# Altium PCB NORA_Clock_V0.2.PcbDoc (part 2 of 3)
Units mm, origin at the board's own origin, x right, y up, seen from the top; angles counter-clockwise.
Board outline 118 x 203.33 mm, 2 copper layers (Top Layer, Bottom Layer), stack 1.671 mm thick; 239 components, 178 nets, 1118 pads, 1365 vias.
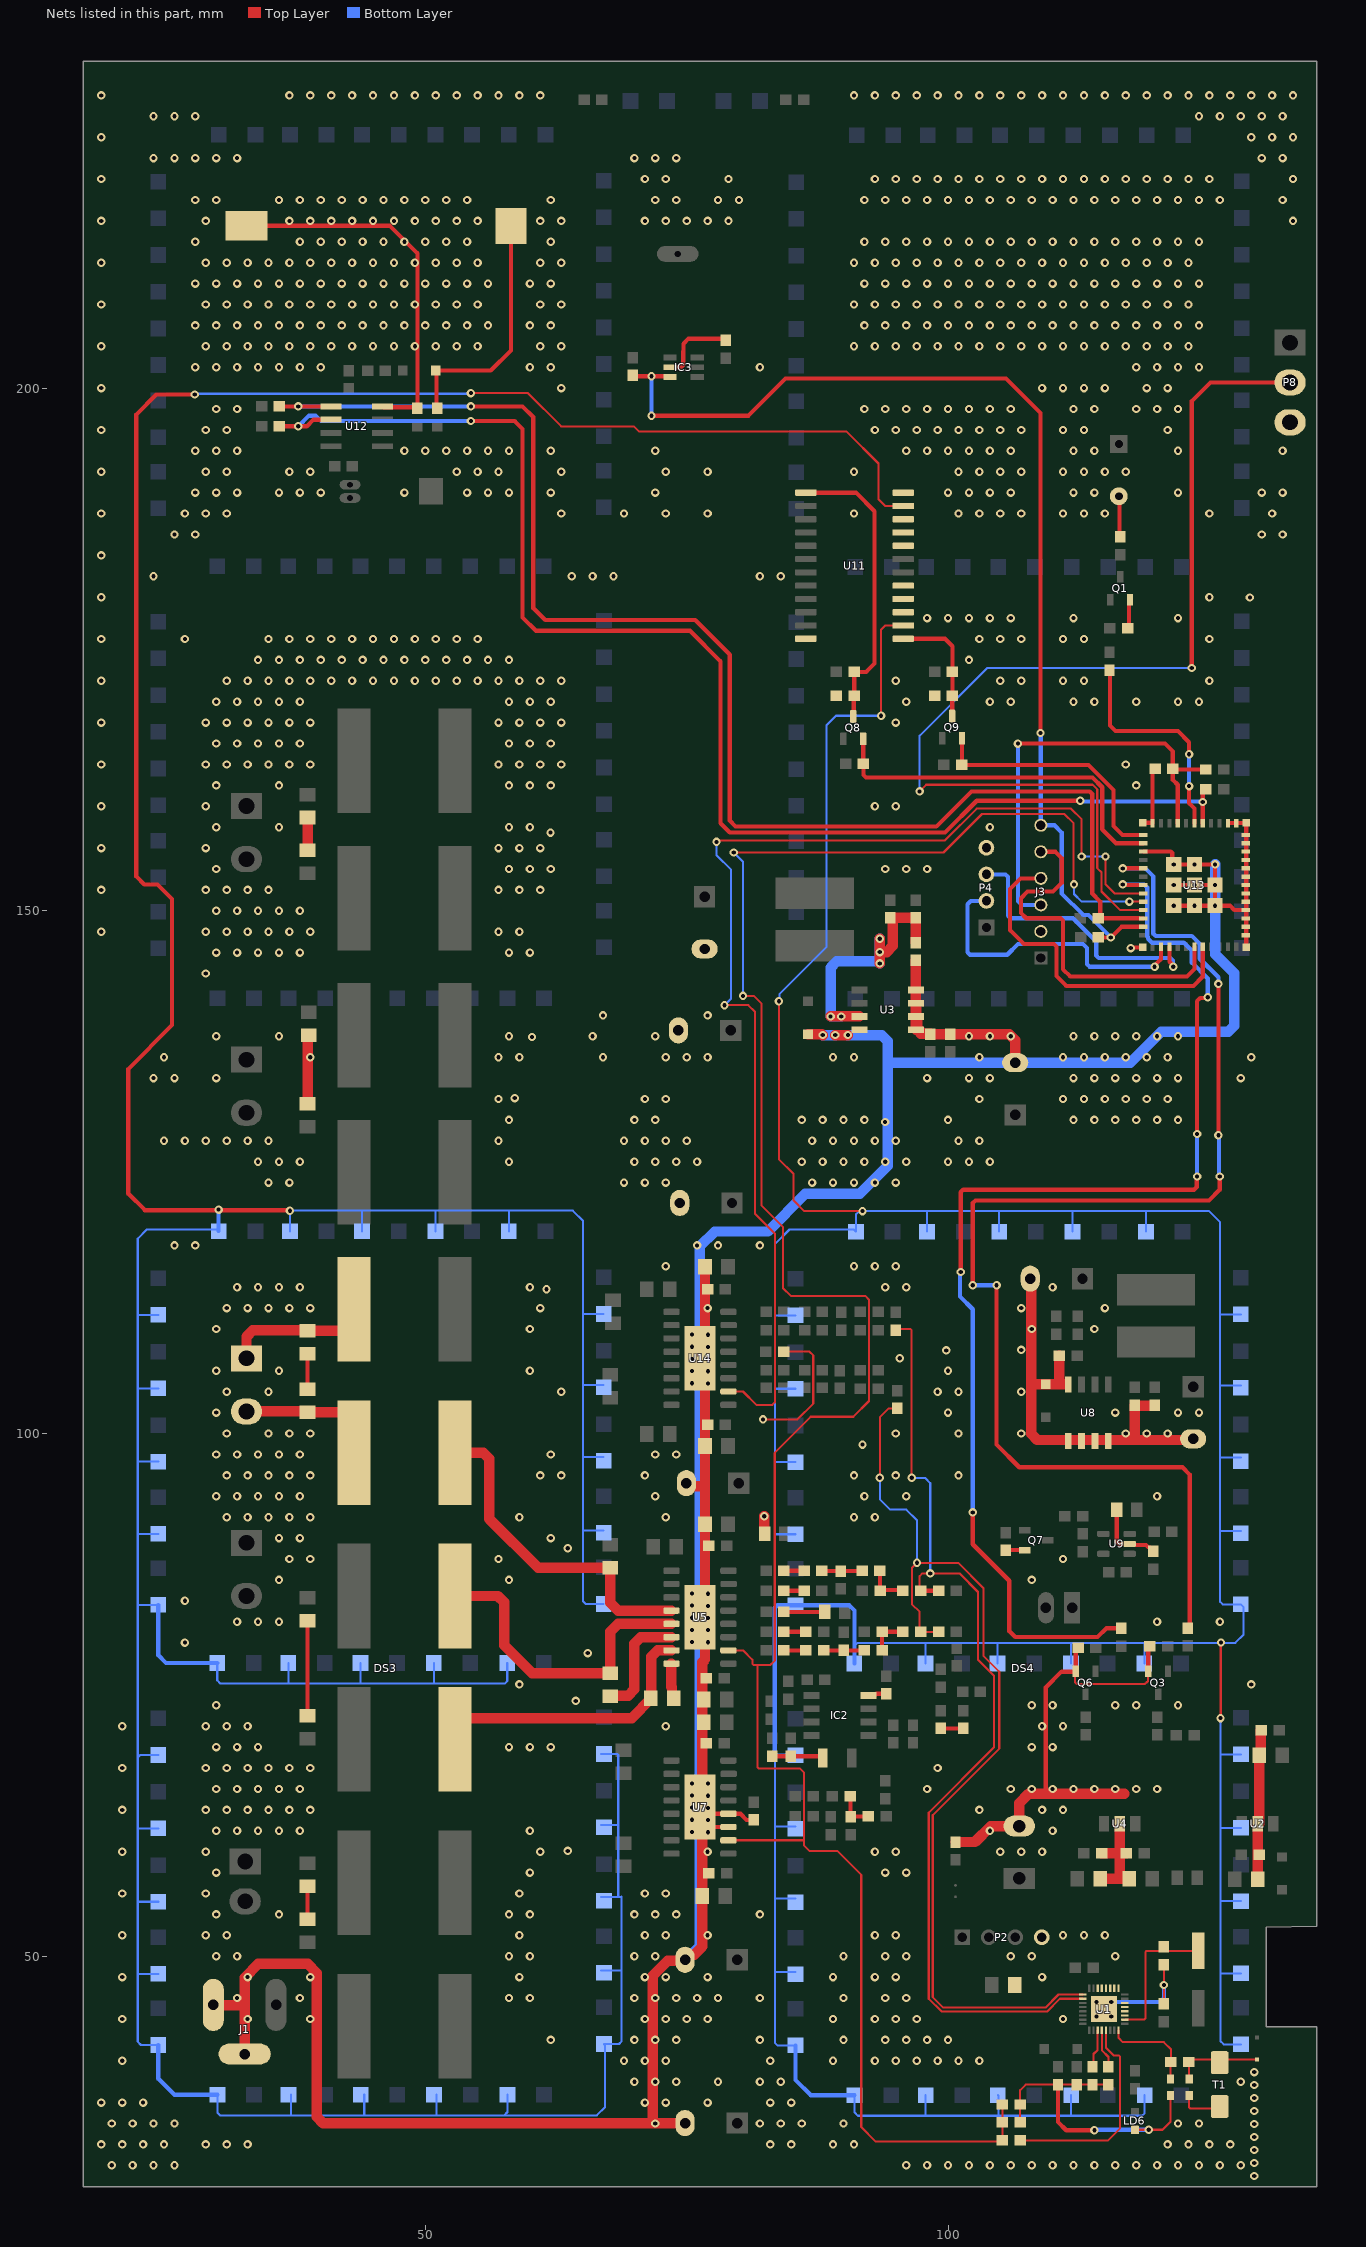
[diagram p2: the nets of this part, all layers, seen from the top]

## Via types
v1: diameter 0.8, hole 0.4, Top Layer to Bottom Layer, 1365 vias

## Nets (pads, with @x,y where several pads share a name; then routed paths per layer and width w, separated by ;. In a path a pad name is that pad's centre, name@x,y a point inside that pad or via, vN(x,y) a via of type N, cw(c..) or ccw(c..) an arc to the next point about the centre after c; other vN are vias at no path point) (continued)
BT_OSCO: C24.2 U1.18 Y1.2 | length 13.8
  Top Layer w0.2: U1.18@116.913,43.931 118.755,43.931 118.872,44.048 118.872,50.39 118.989,50.507 120.269,50.507 C24.2@120.65,50.888 121.031,50.507 123.947,50.507 Y1.2@123.952,50.502
BT_RF: C54.2 L10.1 U1.16 | length 9.1
  Top Layer w0.2: U1.16@116.308,42.926 116.308,42.188 116.713,41.783 120.65,41.783 121.324,41.109 C54.2@121.324,39.878 121.285,39.839 L10.1@121.285,38.24
Buzzer: R18.1 U13.6 | length 21.5
  Top Layer w0.4: R18.1@115.443,173.013 115.493,172.963 115.493,167.717 115.825,167.385 116.014,167.195 121.983,167.195 123.063,166.116 v1(123.063,164.973) ; v1(123.063,161.925) 123.063,160.293 123.568,159.788 U13.6@123.568,158.363
  Bottom Layer w0.4: v1(123.063,161.925) v1(123.063,164.973)
CLK: C69.2 Q8.3 R69.1 U11.13 | length 28.5
  Top Layer w0.4: U11.13@86.404,189.992 91.186,189.992 92.964,188.214 92.964,173.641 92.17,172.847 R69.1@91.02,172.847 C69.2@91.02,170.561 90.976,170.517 90.976,168.617 Q8.3@90.932,168.573
CLK_L: Q8.2 R66.1 U13.13 | length 35.3
  Top Layer w0.4: Q8.2@91.882,166.453 91.895,166.44 91.895,164.097 R66.1@91.909,164.084 91.909,162.984 92.143,162.75 113.817,162.75 114.752,161.815 114.752,157.79 116.079,156.463 U13.13@118.668,156.463
CS: U11.12
CS1: U1.19
CS2: U1.20
CS3: U1.21
CS4: U1.22
CS5: U1.25
CS6: U1.26
CS7: U1.27
CTRL: C10.2 R4.2 R5.1 U5.2 U7.2 U13.20 | length 224.1
  Top Layer w0.2: U7.2@78.994,61.087 86.233,61.087 ; U5.2@78.994,79.248 80.391,79.248 81.28,78.359 81.28,77.978 81.407,77.851 81.788,77.851 ; v1(79.502,155.575) 99.568,155.575 103.251,159.258 111.125,159.258 112.014,158.369 112.014,152.565 v1(112.052,152.527) ; v1(80.391,141.859) 81.407,141.859 82.169,141.097 82.169,121.793 84.201,119.761 84.201,113.919 84.963,113.157 92.075,113.157 92.436,112.796 92.436,103.104 90.932,101.6 86.868,101.6 83.419,98.151 83.419,78.274 82.996,77.851 81.788,77.851 ; R4.2@105.195,32.297 105.156,32.258 93.091,32.258 91.694,33.655 91.694,57.785 89.408,60.071 86.741,60.071 86.233,60.579 86.233,61.087 ; R4.2@105.195,32.385 C10.2@105.195,34.125 R5.1@105.195,35.814 ; v1(117.348,150.876) 117.354,150.87 118.662,150.87 U13.20@118.668,150.863 ; 81.788,77.851 81.788,68.062 81.905,67.945 85.852,67.945 86.233,67.564 86.233,61.087
  Bottom Layer w0.2: v1(79.502,155.575) 79.502,155.413 79.664,155.413 80.391,154.686 v1(80.391,141.859) ; v1(112.052,152.527) 112.052,151.6 112.776,150.876 v1(117.348,150.876)
CTRL_P: U13.19 U14.2 | length 112
  Top Layer w0.2: v1(77.851,156.591) 77.966,156.706 78.256,156.706 78.268,156.718 99.695,156.718 102.743,159.766 111.76,159.766 112.776,158.75 v1(112.776,155.194) ; v1(78.613,140.97) 80.899,140.97 81.534,140.335 81.534,121.031 83.432,119.133 83.432,102.99 83.185,102.743 81.661,102.743 80.391,104.013 U14.2@78.994,104.013 ; v1(115.062,155.194) 115.062,152.527 115.926,151.663 U13.19@118.668,151.663
  Bottom Layer w0.2: v1(77.851,156.591) 77.851,155.321 79.248,153.924 79.248,141.605 v1(78.613,140.97) ; v1(112.776,155.194) v1(115.062,155.194)
DACL: R6.2 R34.2 R48.2 U1.2 | length 93.9
  Top Layer w0.2: R48.2@94.996,109.894 95.084,109.982 96.403,109.982 96.52,109.865 v1(96.52,95.758) ; R34.2@97.282,84.797 97.282,86.36 97.536,86.614 v1(98.298,86.614) 101.092,86.614 102.87,84.836 102.87,78.359 104.394,76.835 104.394,69.977 98.154,63.737 98.154,45.932 99.381,44.705 109.475,44.705 110.701,45.931 U1.2@112.903,45.931
  Top Layer w0.4: R34.2@97.37,84.963 R6.2@99.099,84.963
  Bottom Layer w0.2: v1(96.52,95.758) 97.79,95.758 98.298,95.25 v1(98.298,86.614)
DACR: R29.2 R36.1 R42.2 U1.1 | length 92.2
  Top Layer w0.2: v1(93.472,95.758) 93.472,101.55 94.323,102.401 R42.2@95.123,102.401 ; R36.1@99.099,81.026 R29.2@97.37,81.026 97.282,81.114 97.282,82.931 96.54,83.673 96.54,87.128 97.028,87.616 v1(97.028,87.63) 100.965,87.63 103.378,85.217 103.378,78.74 104.902,77.216 104.902,69.85 98.534,63.482 98.534,46.09 99.539,45.085 109.318,45.085 110.564,46.331 U1.1@112.903,46.331
  Bottom Layer w0.2: v1(93.472,95.758) 93.472,93.726 94.488,92.71 96.012,92.71 97.028,91.694 v1(97.028,87.63)
DCVDD: C19.1 U1.12 | length 3.8
  Top Layer w0.2: U1.12@114.708,42.926 114.708,40.994 115.343,40.359 C19.1@115.343,39.412
DIG0: DS4.5 U11.2 | length 414.7
  Top Layer w0.2: 83.82,133.477 v1(83.82,141.351) ; 83.82,133.506 83.82,126.238 85.217,124.841 85.217,122.301 86.246,121.272 v1(91.821,121.272) ; v1(93.599,168.656) 93.599,176.911 93.98,177.292 U11.2@95.714,177.292 ; v1(126.057,72.771) 126.084,72.798 126.084,79.983 v1(126.111,80.01)
  Bottom Layer w0.2: 83.432,69.207 83.432,62.415 ; v1(83.82,141.351) 83.885,141.416 83.885,142.051 88.392,146.558 88.392,167.767 89.281,168.656 v1(93.599,168.656) ; DS4.5@85.401,41.466 83.68,41.466 83.432,41.714 83.432,48.445 ; DS4.5@85.401,48.49 83.477,48.49 83.432,48.445 ; DS4.5@85.401,55.507 83.481,55.507 83.432,55.557 ; DS4.5@85.401,62.407 83.439,62.407 83.432,62.415 ; DS4.5@85.401,90.362 83.439,90.362 83.432,90.354 83.432,97.212 ; DS4.5@85.401,97.262 83.481,97.262 83.432,97.212 ; DS4.5@85.401,104.279 83.477,104.279 83.432,104.324 ; DS4.5@85.401,111.303 83.432,111.303 ; 91.038,79.657 91.353,79.972 97.83,79.972 ; DS4.5@91.06,36.703 91.06,35.049 91.375,34.734 97.852,34.734 ; DS4.5@97.838,78.003 97.838,79.965 97.83,79.972 ; DS4.5@97.86,36.703 97.86,34.741 97.852,34.734 ; DS4.5@97.992,119.303 97.992,121.265 97.984,121.272 ; DS4.5@104.738,78.003 104.738,79.923 104.688,79.972 ; DS4.5@104.76,36.703 104.837,36.626 104.837,34.734 ; DS4.5@104.892,119.303 104.892,121.223 104.842,121.272 ; DS4.5@111.755,78.003 111.755,79.927 111.8,79.972 ; DS4.5@111.777,36.703 111.777,34.779 111.822,34.734 ; DS4.5@111.909,119.303 111.909,121.227 111.954,121.272 ; DS4.5@118.779,78.003 118.779,79.972 ; DS4.5@118.801,36.703 118.801,34.982 118.553,34.734 111.822,34.734 ; DS4.5@118.933,119.303 118.933,121.272 ; v1(126.057,72.771) 126.057,69.303 ; DS4.5@128.001,90.677 126.077,90.677 126.032,90.632 ; DS4.5@128.001,97.694 126.082,97.694 126.032,97.744 ; DS4.5@128.001,104.594 126.039,104.594 126.032,104.602 ; DS4.5@128.001,111.394 126.032,111.394 ; DS4.5@128.026,41.562 126.373,41.562 126.057,41.877 126.057,48.354 ; DS4.5@128.026,48.362 126.065,48.362 126.057,48.354 ; DS4.5@128.026,55.262 126.107,55.262 126.057,55.212 ; DS4.5@128.026,62.279 126.103,62.279 126.057,62.324 ; DS4.5@128.026,69.303 126.057,69.303 ; 83.432,48.445 83.432,55.557 ; 83.432,55.557 83.432,62.415 ; 83.432,97.212 83.432,104.324 ; 83.432,104.324 83.432,111.303 ; 83.432,111.303 83.432,118.103 84.836,119.507 90.988,119.507 DS4.5@91.192,119.303 91.192,120.957 91.507,121.272 v1(91.821,121.272) 97.984,121.272 ; 97.83,79.972 104.688,79.972 ; 97.852,34.734 104.837,34.734 ; 97.984,121.272 104.842,121.272 ; 104.688,79.972 111.8,79.972 ; 104.837,34.734 111.822,34.734 ; 104.842,121.272 111.954,121.272 ; 111.8,79.972 118.779,79.972 ; 111.954,121.272 118.933,121.272 ; 118.779,79.972 127.47,79.972 128.27,80.772 128.27,83.384 DS4.5@128.001,83.653 126.28,83.653 126.032,83.901 126.032,90.632 ; 118.933,121.272 124.981,121.272 126.032,120.221 126.032,111.394 ; 126.032,90.632 126.032,97.744 ; 126.032,97.744 126.032,104.602 ; 126.032,104.602 126.032,111.394 ; 126.057,48.354 126.057,55.212 ; 126.057,55.212 126.057,62.324 ; 126.057,62.324 126.057,69.303
  Bottom Layer w0.4: DS4.5@85.401,41.466 85.401,38.17 86.868,36.703 DS4.5@91.06,36.703 ; DS4.5@85.401,69.207 83.432,69.207 83.432,83.332 83.666,83.566 85.397,83.566 DS4.5@85.401,83.562 90.554,83.562 91.038,83.077 91.038,79.657 DS4.5@91.038,78.003
DIG1: DS3.5 U11.11 | length 512.6
  Top Layer w0.2: v1(54.356,199.517) 59.817,199.517 62.992,196.342 69.948,196.342 70.456,195.834 90.297,195.834 93.345,192.786 93.345,189.357 93.98,188.722 U11.11@95.714,188.722
  Top Layer w0.4: v1(27.94,199.39) 24.257,199.39 22.352,197.485 22.352,153.289 23.114,152.527 24.384,152.527 25.781,151.13 25.781,139.065 21.59,134.874 21.59,122.936 23.167,121.359 36.994,121.359 v1(37.047,121.305)
  Bottom Layer w0.2: DS3.5@24.456,41.507 22.802,41.507 22.487,41.822 22.487,48.299 ; DS3.5@24.456,48.307 22.494,48.307 22.487,48.299 ; DS3.5@24.456,55.207 22.536,55.207 22.487,55.157 ; DS3.5@24.456,62.224 22.532,62.224 22.487,62.269 ; DS3.5@24.456,69.248 22.735,69.248 22.487,69 ; DS3.5@24.456,83.602 22.487,83.602 ; DS3.5@24.456,90.402 22.494,90.402 22.487,90.395 ; DS3.5@24.456,97.302 22.536,97.302 22.487,97.253 ; DS3.5@24.456,104.319 22.532,104.319 22.487,104.365 ; DS3.5@24.456,111.344 22.487,111.344 ; v1(27.94,199.39) 28.003,199.453 54.292,199.453 v1(54.356,199.517) ; DS3.5@30.093,78.044 30.093,76.39 30.408,76.075 36.885,76.075 ; DS3.5@30.115,36.744 30.115,35.022 30.363,34.774 37.094,34.774 ; DS3.5@30.247,119.344 30.084,119.507 23.368,119.507 22.487,118.626 22.487,111.344 ; DS3.5@36.893,78.044 36.893,76.082 36.885,76.075 ; DS3.5@37.047,119.344 v1(37.047,121.305) ; v1@37.066,121.324 v1(37.047,121.305) ; DS3.5@37.139,36.744 37.139,34.82 37.094,34.774 ; DS3.5@43.793,78.044 43.793,76.124 43.743,76.075 ; DS3.5@43.947,119.344 43.947,121.263 43.897,121.313 ; DS3.5@44.156,36.744 44.156,34.824 44.206,34.774 ; DS3.5@50.81,78.044 50.81,76.12 50.855,76.075 ; DS3.5@50.964,119.344 50.964,121.267 51.009,121.313 ; DS3.5@51.056,36.744 51.056,34.782 51.064,34.774 ; DS3.5@57.834,78.044 57.834,76.322 57.586,76.075 50.855,76.075 ; DS3.5@57.856,36.744 57.856,35.09 57.541,34.774 ; DS3.5@57.988,119.344 57.988,121.313 ; DS3.5@66.802,48.625 68.726,48.625 68.771,48.58 ; DS3.5@66.802,55.642 68.453,55.642 ; DS3.5@66.802,62.542 68.453,62.542 ; DS3.5@66.802,69.342 68.336,69.342 68.453,69.225 68.453,62.542 ; DS3.5@67.056,83.694 65.335,83.694 65.087,83.942 65.087,90.673 ; DS3.5@67.056,90.718 65.132,90.718 65.087,90.673 ; DS3.5@67.056,97.735 65.136,97.735 65.087,97.785 ; DS3.5@67.056,104.635 65.094,104.635 65.087,104.643 ; DS3.5@67.056,111.435 65.087,111.435 ; DS3.5@67.081,41.602 DS3.5@67.083,41.601 ; 22.487,48.299 22.487,55.157 ; 22.487,55.157 22.487,62.269 ; 22.487,62.269 22.487,69 ; 22.487,69 22.487,83.602 ; 22.487,83.602 22.487,90.395 ; 22.487,90.395 22.487,97.253 ; 22.487,97.253 22.487,104.365 ; 22.487,104.365 22.487,111.344 ; 36.885,76.075 43.743,76.075 ; v1(37.047,121.305) 37.039,121.313 43.897,121.313 ; 37.094,34.774 44.206,34.774 ; 43.743,76.075 50.855,76.075 ; 43.897,121.313 51.009,121.313 ; 44.206,34.774 51.064,34.774 ; 51.009,121.313 57.988,121.313 ; 51.064,34.774 57.541,34.774 ; 57.541,34.774 66.397,34.774 67.183,35.56 67.183,41.501 DS3.5@67.083,41.601 ; 57.988,121.313 64.107,121.313 65.087,120.333 65.087,111.435 ; 65.087,90.673 65.087,97.785 ; 65.087,97.785 65.087,104.643 ; 65.087,104.643 65.087,111.435 ; DS3.5@67.083,41.601 68.523,41.601 68.771,41.849 68.771,48.58 ; 68.453,55.642 68.722,55.642 68.771,55.692 68.771,48.58 ; 68.453,55.642 68.453,62.542
  Bottom Layer w0.4: DS3.5@24.456,41.507 24.456,38.282 25.994,36.744 DS3.5@30.115,36.744 ; DS3.5@24.456,83.602 24.456,78.795 25.207,78.044 DS3.5@30.093,78.044 ; DS3.5@30.226,119.365 v1(30.226,121.412)
DIG4: U11.3
DIG5: U11.10
DIG6: U11.5
DIG7: U11.8
DIN: C71.1 Q9.3 R71.1 U11.1 | length 11.7
  Top Layer w0.2: 100.391,169.518 100.418,169.545
  Top Layer w0.4: U11.1@95.714,176.022 99.695,176.022 100.418,175.299 R71.1@100.418,172.847 C71.1@100.418,170.561 100.405,170.547 100.405,168.63 Q9.3@100.391,168.617
DIN_L: Q9.2 R70.1 U13.12 | length 24.7
  Top Layer w0.4: Q9.2@101.341,166.497 101.324,166.48 101.324,163.974 101.341,163.957 113.43,163.957 115.824,161.563 115.824,158.115 116.46,157.479 116.676,157.263 U13.12@118.668,157.263
DOUT: U11.24
EN: C62.2 J3.3 R25.2 U13.8 | length 42.6
  Top Layer w0.4: v1(106.68,165.989) 120.757,165.989 121.5,165.246 C62.2@121.5,163.576 121.5,162.52 121.968,162.052 U13.8@121.968,158.363 ; C62.2@121.731,163.514 R25.2@124.668,163.514
  Bottom Layer w0.4: v1(106.68,165.989) 106.68,150.919 107.04,150.56 J3.3@108.881,150.56
GND: BT1.NEG C6.2 C7.1 C9.2 C10.1 C12.1 C13.2 C15.1 C16.1 C18.2 C19.2 C22.2 C23.1 C24.1 C25.2 C26.1 C27.2 C28.2 C30.1 C33.1 C34.2 C35.1 C41.2 C42.1 C44.2 C45.1 C46.1 C47.1 C48.1 C49.2 C51.2 C52.2 C53.2 C55.1 C56.2 C57.1 C58.1 C59.1 C60.1 C61.2 C62.1 C63.2 C64.1 C65.1 C66.1 C67.1 C68.1 C69.1 C70.2 C71.2 C72.2 C73.1 C75.2 C76.1 C77.1 C78.2 C80.1 C84.2 C86.1 C88.1 C89.1 C93.2 C95.2 C96.1 C97.2 C98.2 D5.2 D7.2 IC2.4 IC3.2 J1.2 J1.3 J3.2 L1.1 L10.2 L11.2 LD6.1 P2.4 P4.4 P8.3 Q1.2 Q3.2 Q6.2 Q7.2 R5.2 R11.1 R13.1 R19.2 R44.2 R47.2 R51.1 R55.1 R63.2 R64.1 R68.1 R74.1 T1.A U1.33 U2.2 U3.4 U3.5 U3.6 U3.7 U3.8 U4.2 U5.17 U7.3 U7.4 U7.17 U8.4 U8.5 U8.6 U8.7 U8.8 U9.2 U11.4 U11.9 U12.4 U13.1 U13.2 U13.11 U13.14 U13.36 U13.37 U13.38 U13.39 U13.40 U13.41 U13.42 U13.43 U13.44 U13.45 U13.46 U13.47 U13.48 U13.49_1 U13.49_2 U13.49_3 U13.49_4 U13.49_5 U13.49_6 U13.49_7 U13.49_8 U13.49_9 U13.50 U13.51 U13.52 U13.53 U14.17 | length 659
  Top Layer w0.2: v1(82.296,101.346) 85.598,101.346 87.102,102.85 87.102,107.472 86.751,107.823 84.291,107.823 C86.1@84.282,107.814 ; C10.1@106.895,34.125 R5.2@106.895,35.814 106.895,37.172 107.435,37.712 C44.2@110.517,37.712 C51.2@112.295,37.712 C52.2@113.819,37.712 C19.2@115.343,37.712 ; Q6.2@112.177,77.216 112.141,77.18 112.141,76.2 112.307,76.034 118.833,76.034 118.999,76.2 119.027,76.2 119.144,76.317 Q3.2@119.144,77.265 ; LD6.1@117.883,33.394 v1(119.199,33.394) 120.516,33.394 121.285,34.163 L10.2@121.285,36.69 ; C25.2@120.65,45.447 v1(120.65,47.244) C24.1@120.65,49.188 ; L11.2@123.063,36.69 123.063,35.55 123.18,35.433 125.798,35.433 T1.A@125.984,35.619
  Top Layer w0.4: BT1.NEG@32.893,215.519 46.609,215.519 49.238,212.89 R55.1@49.238,198.076 49.146,198.168 45.977,198.168 U12.4@45.898,198.247 ; C47.1@38.735,53.551 C49.2@38.735,56.685 ; C35.1@38.735,72.982 C41.2@38.735,82.085 ; C15.1@38.735,104.224 C18.2@38.735,107.612 ; IC3.2@73.406,201.993 74.442,201.993 74.676,202.228 74.676,203.492 74.701,203.517 74.701,204.241 75.184,204.724 78.574,204.724 C70.2@78.74,204.558 ; U7.17@76.497,63.429 77.569,62.357 U7.3@78.994,62.357 ; U7.17@76.497,64.034 76.904,63.627 U7.4@78.994,63.627 80.137,63.627 80.733,63.031 C45.1@81.407,63.031 ; C7.1@83.185,69.127 84.782,69.127 C9.2@84.963,68.946 ; C58.1@84.289,82.931 L1.1@88.191,82.931 ; C9.2@84.963,69.127 87.845,69.127 C42.1@88.011,68.961 ; IC2.4@92.374,74.93 92.499,75.055 93.13,75.055 93.171,75.096 C30.1@94.107,75.096 ; C33.1@99.314,71.794 R13.1@101.473,71.794 ; R63.2@105.537,88.812 105.564,88.839 Q7.2@107.358,88.839 ; 109.347,65.532 109.347,75.692 110.871,77.216 112.177,77.216 Q6.2@112.207,77.246 112.207,79.275 R47.2@112.434,79.502 ; C44.2@110.517,37.712 110.517,34.136 111.302,33.351 v1(113.996,33.351) ; R68.1@116.132,92.71 116.132,89.675 116.366,89.44 U9.2@117.371,89.44 117.466,89.345 118.935,89.345 119.196,89.084 119.334,89.084 119.634,88.784 R51.1@119.634,88.734 ; R19.2@117.182,177.038 117.314,177.17 117.314,179.647 Q1.2@117.414,179.747 ; v1(117.475,146.431) 117.516,146.472 118.577,146.472 U13.51@118.618,146.513 ; U13.52@118.618,158.413 U13.11@119.568,158.413 ; U13.14@118.668,155.663 121.304,155.663 121.454,155.513 121.454,154.578 v1(121.593,154.438) v1(123.568,154.438) v1(125.543,154.438) v1(125.543,152.463) ; Q3.2@119.144,77.265 119.144,79.49 R44.2@119.305,79.651 ; U13.11@119.568,158.363 U13.11@119.568,158.413 ; C62.1@119.8,163.576 119.568,163.344 U13.11@119.568,158.413 ; v1(121.593,150.488) v1(123.568,150.488) v1(125.543,150.488) ; v1(121.593,152.463) v1(123.568,152.463) v1(125.543,152.463) ; U13.2@126.768,158.363 126.768,158.388 128.493,158.388 U13.53@128.518,158.413 U13.50@128.518,146.513 ; U13.39@128.468,150.063 127.381,150.063 126.956,150.488 v1(125.543,150.488) ; v1(125.543,150.488) v1(125.543,152.463)
  Top Layer w1: J1.2@29.718,45.293 32.718,45.293 ; J1.3@32.718,40.639 32.718,45.293 ; C80.1@38.735,131.529 38.735,137.965 C84.2@38.862,138.092 ; C88.1@38.735,155.786 C93.2@38.735,158.92 ; C28.2@74.97,34.036 v1@71.755,34.036 ; C27.2@74.97,95.25 75.275,94.945 76.751,94.945 ; U14.17@76.269,107.188 U14.17@76.751,107.188 ; U5.17@76.476,82.216 U5.17@76.269,82.423 76.751,82.905 U5.17@76.751,83.511 ; C16.1@76.624,74.549 C16.1@76.476,74.401 ; C22.2@76.751,89.281 C22.2@77.128,89.281 ; C96.1@76.751,115.951 U14.17@76.751,107.188 ; C13.2@76.874,76.581 C13.2@76.476,76.581 ; v1(77.044,80.025) U5.17@76.751,80.025 ; v1(82.423,92.075) 82.426,92.072 82.426,90.474 R64.1@82.476,90.424 ; D5.2@86.611,138.188 87.932,138.188 v1(88.008,138.112) ; v1(89.214,138.112) v1(90.42,138.112) ; U3.6@96.898,139.846 96.898,138.665 U3.5@96.943,138.62 ; R11.1@96.898,145.263 96.898,139.89 U3.6@96.943,139.89 ; U3.6@96.943,139.846 U3.6@96.943,139.89 ; U3.7@96.943,141.16 U3.6@96.943,139.89 ; U3.6@97.074,139.715 97.074,138.825 97.649,138.25 ; 97.401,138.25 97.649,138.25 ; C73.1@100.711,60.921 102.577,60.921 104.1,62.444 C72.2@106.807,62.444 106.807,64.643 107.696,65.532 109.347,65.532 116.84,65.532 ; C34.2@106.426,135.469 106.426,137.614 105.84,138.2 C46.1@100.2,138.2 C48.1@98.295,138.2 98.295,138.25 97.649,138.25 ; C98.2@107.863,114.808 107.95,114.721 107.95,104.775 ; R74.1@110.656,107.442 110.656,104.777 110.572,104.693 ; U8.4@111.252,104.693 110.572,104.693 ; C67.1@114.573,57.416 116.459,57.416 ; C68.1@114.704,59.829 116.418,59.829 ; U4.2@116.418,62.655 116.418,59.829 ; C66.1@117.068,59.829 116.418,59.829 ; C65.1@117.326,57.416 116.459,57.416 ; C77.1@117.861,102.655 C76.1@119.766,102.655 ; C77.1@117.861,102.705 117.861,99.375 ; C75.2@123.444,99.481 123.338,99.375 117.861,99.375 ; U2.2@129.61,62.655 129.61,60.017 129.624,60.003 C59.1@129.624,57.366 ; C23.1@129.699,69.277 129.711,69.277 129.91,69.476 129.91,71.628 C57.1@129.96,71.628 ; U2.2@129.78,62.655 C23.1@129.78,69.227 ; 32.718,45.293 32.718,47.958 34.036,49.276 38.735,49.276 39.624,48.387 39.624,34.622 40.21,34.036 v1@71.755,34.036 ; v1@71.755,34.036 71.755,48.133 73.186,49.564 74.75,49.564 C53.2@74.843,49.657 74.843,49.768 75.226,50.151 75.723,50.151 76.497,50.925 C55.1@76.497,55.753 76.497,63.429 76.497,64.034 76.497,68.305 76.476,68.326 C16.1@76.476,74.401 ; C16.1@76.476,74.401 C13.2@76.476,76.581 ; C13.2@76.476,76.581 76.476,78.105 76.751,78.38 U5.17@76.751,80.025 ; U5.17@76.751,80.025 76.751,84.673 C26.1@76.751,91.313 76.751,94.945 ; 76.751,94.945 C64.1@76.751,98.806 76.751,105.718 76.951,105.918 76.951,106.988 U14.17@76.751,107.188 ; 107.95,104.775 107.95,99.961 108.536,99.375 117.861,99.375 ; 107.95,104.775 108.026,104.699 D7.2@109.347,104.699 109.353,104.693 110.572,104.693 ; 116.418,59.829 116.418,57.457 116.459,57.416
  Bottom Layer w0.4: v1(113.996,33.351) 114.278,33.351 114.322,33.394 v1(119.199,33.394) ; v1(115.608,45.631) 120.307,45.631 120.65,45.974 v1(120.65,47.244)
  Bottom Layer w1: C53.2@74.676,49.403 76.24,50.967 76.24,83.531 76.24,84.673 76.24,117.896 77.662,119.318 82.742,119.318 86.36,122.936 91.567,122.936 94.234,125.603 94.234,135.469 ; v1(88.008,138.112) v1(89.214,138.112) ; v1(90.42,138.112) 93.648,138.112 94.234,137.526 94.234,135.469 ; v1(125.543,154.438) v1(125.543,152.463) v1(125.543,150.488) 125.543,145.856 127.381,144.018 127.381,139.016 126.795,138.43 120.396,138.43 117.435,135.469 C34.2@106.426,135.469 94.234,135.469
  other v1: 129.286,28.98 19.999,29.995 21.999,29.995 23.999,29.995 25.999,29.995 95.999,29.995 97.999,29.995 99.999,29.995 101.999,29.995 103.999,29.995 105.999,29.995 107.999,29.995 109.999,29.995 111.999,29.995 113.999,29.995 115.999,29.995 117.999,29.995 119.999,29.995 121.999,29.995 123.999,29.995 125.999,29.995 127.999,29.995 129.286,30.221 129.286,31.463 18.999,31.995 20.999,31.995 22.999,31.995 24.999,31.995 28.999,31.995 30.999,31.995 32.999,31.995 82.999,31.995 84.999,31.995 88.999,31.995 90.999,31.995 120.999,31.995 122.999,31.995 124.999,31.995 126.999,31.995 129.286,32.705 129.286,33.947 19.999,33.995 21.999,33.995 23.999,33.995 25.999,33.995 71.999,33.995 81.999,33.995 83.999,33.995 85.999,33.995 89.999,33.995 121.999,33.995 123.999,33.995 129.286,35.188 18.999,35.995 20.999,35.995 22.999,35.995 70.999,35.995 72.999,35.995 76.999,35.995 82.999,35.995 84.999,35.995 129.286,36.43 129.286,37.672 69.999,37.995 71.999,37.995 73.999,37.995 77.999,37.995 81.999,37.995 83.999,37.995 127.999,37.995 129.286,38.914 20.999,39.995 68.999,39.995 70.999,39.995 72.999,39.995 82.999,39.995 88.999,39.995 92.999,39.995 94.999,39.995 96.999,39.995 98.999,39.995 100.999,39.995 102.999,39.995 61.999,41.995 69.999,41.995 71.999,41.995 73.999,41.995 81.999,41.995 89.999,41.995 93.999,41.995 95.999,41.995 97.999,41.995 99.999,41.995 20.999,43.995 32.999,43.995 38.999,43.995 70.999,43.995 72.999,43.995 74.999,43.995 76.999,43.995 88.999,43.995 92.999,43.995 94.999,43.995 96.999,43.995 110.999,43.995 114.208,44.231 115.608,44.231 114.208,45.631 31.999,45.995 37.999,45.995 57.999,45.995 59.999,45.995 69.999,45.995 71.999,45.995 73.999,45.995 75.999,45.995 77.999,45.995 81.999,45.995 89.999,45.995 93.999,45.995 95.999,45.995 20.999,47.995 32.999,47.995 38.999,47.995 58.999,47.995 70.999,47.995 72.999,47.995 76.999,47.995 88.999,47.995 92.999,47.995 94.999,47.995 108.999,47.995 29.999,49.995 31.999,49.995 57.999,49.995 59.999,49.995 69.999,49.995 71.999,49.995 89.999,49.995 93.999,49.995 95.999,49.995 105.999,49.995 107.999,49.995 115.999,49.995 20.999,51.995 28.999,51.995 30.999,51.995 58.999,51.995 70.999,51.995 72.999,51.995 76.999,51.995 92.999,51.995 94.999,51.995 110.999,51.995 112.999,51.995 114.999,51.995 29.999,53.995 35.999,53.995 57.999,53.995 59.999,53.995 69.999,53.995 71.999,53.995 73.999,53.995 81.999,53.995 20.999,55.995 28.999,55.995 58.999,55.995 70.999,55.995 72.999,55.995 29.999,57.995 59.999,57.995 93.999,57.995 95.999,57.995 20.999,59.995 28.999,59.995 60.999,59.995 76.999,59.995 92.999,59.995 94.999,59.995 104.999,59.995 106.999,59.995 108.999,59.995 63.627,60.071 77.044,61.864 75.494,61.884 29.999,61.995 31.999,61.995 33.999,61.995 35.999,61.995 37.999,61.995 59.999,61.995 103.999,61.995 109.999,61.995 75.494,63.046 77.044,63.026 20.999,63.995 28.999,63.995 30.999,63.995 32.999,63.995 34.999,63.995 36.999,63.995 38.999,63.995 102.999,63.995 108.999,63.995 110.999,63.995 77.044,64.188 75.494,64.208 77.044,65.35 75.494,65.37 29.999,65.995 31.999,65.995 33.999,65.995 35.999,65.995 37.999,65.995 97.999,65.995 105.999,65.995 107.999,65.995 109.999,65.995 111.999,65.995 113.999,65.995 115.999,65.995 117.999,65.995 119.999,65.995 77.044,66.512 75.494,66.532 20.999,67.995 28.999,67.995 30.999,67.995 32.999,67.995 34.999,67.995 36.999,67.995 38.999,67.995 98.999,67.995 29.999,69.995 31.999,69.995 33.999,69.995 57.999,69.995 59.999,69.995 61.999,69.995 107.999,69.995 109.999,69.995 20.999,71.995 28.999,71.995 30.999,71.995 32.999,71.995 72.999,71.995 108.999,71.995 110.999,71.995 29.999,73.995 107.999,73.995 109.999,73.995 115.999,73.995 117.999,73.995 121.999,73.995 64.389,74.422 58.999,75.995 128.999,75.995 65.532,78.994 26.999,79.995 75.494,80.045 75.494,81.207 77.044,81.187 31.999,81.995 33.999,81.995 35.999,81.995 119.999,81.995 125.999,81.995 77.044,82.349 75.494,82.369 77.044,83.511 75.494,83.531 26.999,83.995 77.044,84.673 75.494,84.693 35.999,85.995 57.999,85.995 107.999,85.995 36.999,87.995 38.999,87.995 56.999,87.995 110.999,87.995 63.627,89.027 35.999,89.995 37.999,89.995 61.999,89.995 30.999,91.995 32.999,91.995 34.999,91.995 36.999,91.995 38.999,91.995 58.999,91.995 72.999,91.995 90.999,91.995 92.999,91.995 29.999,93.995 31.999,93.995 33.999,93.995 35.999,93.995 37.999,93.995 71.999,93.995 91.999,93.995 95.999,93.995 119.999,93.995 30.999,95.995 32.999,95.995 34.999,95.995 36.999,95.995 38.999,95.995 60.999,95.995 62.999,95.995 70.999,95.995 90.999,95.995 94.999,95.995 100.999,95.995 29.999,97.995 31.999,97.995 33.999,97.995 35.999,97.995 37.999,97.995 61.999,97.995 71.999,97.995 73.999,97.995 91.821,98.933 30.999,99.995 34.999,99.995 36.999,99.995 38.999,99.995 94.999,99.995 100.999,99.995 106.999,99.995 116.999,99.995 118.999,99.995 120.999,99.995 29.999,101.995 99.999,101.995 115.999,101.995 121.999,101.995 123.999,101.995 30.999,103.995 34.999,103.995 62.999,103.995 98.999,103.995 100.999,103.995 106.999,103.995 77.044,104.79 75.494,104.81 75.494,105.972 77.044,105.952 29.999,105.995 35.999,105.995 59.999,105.995 99.999,105.995 77.044,107.114 75.494,107.134 95.377,107.188 99.822,107.95 106.999,107.995 77.044,108.276 75.494,108.296 77.044,109.438 75.494,109.458 29.999,109.995 59.999,109.995 107.999,109.995 113.999,109.995 30.999,111.995 32.999,111.995 34.999,111.995 36.999,111.995 38.999,111.995 60.999,111.995 76.999,111.995 106.999,111.995 114.999,111.995 61.595,113.792 31.999,113.995 33.999,113.995 35.999,113.995 37.999,113.995 59.999,113.995 93.999,113.995 95.999,113.995 109.999,113.995 72.999,115.995 90.999,115.995 92.999,115.995 94.999,115.995 25.999,117.995 27.999,117.995 75.999,117.995 77.999,117.995 81.999,117.995 34.999,123.995 36.999,123.995 68.999,123.995 70.999,123.995 72.999,123.995 86.999,123.995 88.999,123.995 90.999,123.995 92.999,123.995 94.999,123.995 33.999,125.995 35.999,125.995 37.999,125.995 57.999,125.995 69.999,125.995 71.999,125.995 73.999,125.995 75.999,125.995 85.999,125.995 87.999,125.995 89.999,125.995 91.999,125.995 93.999,125.995 95.999,125.995 99.999,125.995 101.999,125.995 103.999,125.995 24.999,127.995 26.999,127.995 28.999,127.995 30.999,127.995 32.999,127.995 34.999,127.995 56.999,127.995 68.999,127.995 70.999,127.995 72.999,127.995 74.999,127.995 86.999,127.995 88.999,127.995 90.999,127.995 92.999,127.995 94.999,127.995 100.999,127.995 102.999,127.995 93.98,129.794 57.999,129.995 69.999,129.995 71.999,129.995 85.999,129.995 87.999,129.995 89.999,129.995 91.999,129.995 99.999,129.995 111.999,129.995 113.999,129.995 115.999,129.995 117.999,129.995 119.999,129.995 121.999,129.995 56.999,131.995 70.999,131.995 72.999,131.995 102.999,131.995 110.999,131.995 112.999,131.995 114.999,131.995 116.999,131.995 118.999,131.995 120.999,131.995 58.547,132.08 23.999,133.995 25.999,133.995 29.999,133.995 97.999,133.995 101.999,133.995 103.999,133.995 111.999,133.995 113.999,133.995 115.999,133.995 117.999,133.995 119.999,133.995 121.999,133.995 127.999,133.995 24.999,135.995 38.999,135.995 56.999,135.995 58.999,135.995 66.999,135.995 72.999,135.995 74.999,135.995 76.999,135.995 88.999,135.995 90.999,135.995 102.999,135.995 110.999,135.995 112.999,135.995 114.999,135.995 116.999,135.995 118.999,135.995 120.999,135.995 128.999,135.995 60.198,137.922 29.999,137.995 35.999,137.995 57.999,137.995 65.999,137.995 71.999,137.995 101.999,137.995 103.999,137.995 105.999,137.995 111.999,137.995 113.999,137.995 115.999,137.995 117.999,137.995 119.999,137.995 121.999,137.995 66.999,139.995 76.999,139.995 28.999,143.995 29.999,145.995 31.999,145.995 33.999,145.995 35.999,145.995 37.999,145.995 57.999,145.995 59.999,145.995 18.999,147.995 28.999,147.995 30.999,147.995 32.999,147.995 34.999,147.995 36.999,147.995 38.999,147.995 56.999,147.995 58.999,147.995 29.999,149.995 31.999,149.995 33.999,149.995 35.999,149.995 37.999,149.995 18.999,151.995 28.999,151.995 30.999,151.995 32.999,151.995 34.999,151.995 56.999,151.995 58.999,151.995 60.999,151.995 29.999,153.995 57.999,153.995 59.999,153.995 61.999,153.995 93.999,153.995 95.999,153.995 97.999,153.995 18.999,155.995 28.999,155.995 56.999,155.995 58.999,155.995 60.999,155.995 61.976,157.48 29.999,157.995 35.999,157.995 57.999,157.995 59.999,157.995 103.999,157.995 18.999,159.995 28.999,159.995 92.999,159.995 94.999,159.995 29.999,161.995 35.999,161.995 57.999,161.995 59.999,161.995 61.999,161.995 117.999,161.995 18.999,163.995 28.999,163.995 30.999,163.995 32.999,163.995 34.999,163.995 36.999,163.995 38.999,163.995 56.999,163.995 58.999,163.995 60.999,163.995 62.999,163.995 116.999,163.995 29.999,165.995 31.999,165.995 33.999,165.995 35.999,165.995 37.999,165.995 57.999,165.995 59.999,165.995 61.999,165.995 18.999,167.995 28.999,167.995 30.999,167.995 32.999,167.995 34.999,167.995 36.999,167.995 38.999,167.995 56.999,167.995 58.999,167.995 60.999,167.995 62.999,167.995 94.999,167.995 29.999,169.995 31.999,169.995 33.999,169.995 35.999,169.995 37.999,169.995 57.999,169.995 59.999,169.995 61.999,169.995 95.999,169.995 103.999,169.995 105.999,169.995 111.999,169.995 113.999,169.995 117.999,169.995 121.999,169.995 123.999,169.995 18.999,171.995 30.999,171.995 32.999,171.995 34.999,171.995 36.999,171.995 38.999,171.995 40.999,171.995 42.999,171.995 44.999,171.995 46.999,171.995 48.999,171.995 50.999,171.995 52.999,171.995 54.999,171.995 56.999,171.995 58.999,171.995 60.999,171.995 62.999,171.995 94.999,171.995 104.999,171.995 106.999,171.995 110.999,171.995 112.999,171.995 124.999,171.995 33.999,173.995 35.999,173.995 37.999,173.995 39.999,173.995 41.999,173.995 43.999,173.995 45.999,173.995 47.999,173.995 49.999,173.995 51.999,173.995 53.999,173.995 55.999,173.995 57.999,173.995 101.999,173.995 18.999,175.995 26.999,175.995 34.999,175.995 36.999,175.995 38.999,175.995 40.999,175.995 42.999,175.995 44.999,175.995 46.999,175.995 48.999,175.995 50.999,175.995 52.999,175.995 54.999,175.995 102.999,175.995 104.999,175.995 106.999,175.995 110.999,175.995 112.999,175.995 124.999,175.995 97.999,177.995 99.999,177.995 101.999,177.995 103.999,177.995 105.999,177.995 111.999,177.995 121.999,177.995 128.869,179.966 18.999,179.995 124.999,179.995 23.999,181.995 63.999,181.995 65.999,181.995 67.999,181.995 81.999,181.995 83.999,181.995 18.999,183.995 25.999,185.995 27.999,185.995 129.999,185.995 131.999,185.995 18.999,187.995 26.999,187.995 28.999,187.995 30.999,187.995 62.999,187.995 68.999,187.995 72.999,187.995 76.999,187.995 90.999,187.995 100.999,187.995 102.999,187.995 104.999,187.995 106.999,187.995 110.999,187.995 112.999,187.995 114.999,187.995 124.999,187.995 130.999,187.995 27.999,189.995 29.999,189.995 31.999,189.995 35.999,189.995 37.999,189.995 39.999,189.995 47.999,189.995 53.999,189.995 55.999,189.995 57.999,189.995 61.999,189.995 71.999,189.995 99.999,189.995 101.999,189.995 103.999,189.995 105.999,189.995 111.999,189.995 113.999,189.995 121.999,189.995 129.999,189.995 131.999,189.995 18.999,191.995 28.999,191.995 30.999,191.995 36.999,191.995 38.999,191.995 52.999,191.995 54.999,191.995 56.999,191.995 62.999,191.995 72.999,191.995 76.999,191.995 90.999,191.995 100.999,191.995 102.999,191.995 104.999,191.995 106.999,191.995 110.999,191.995 112.999,191.995 114.999,191.995 116.999,191.995 27.999,193.995 29.999,193.995 31.999,193.995 47.999,193.995 49.999,193.995 51.999,193.995 53.999,193.995 55.999,193.995 57.999,193.995 61.999,193.995 71.999,193.995 95.999,193.995 97.999,193.995 99.999,193.995 101.999,193.995 103.999,193.995 105.999,193.995 111.999,193.995 113.999,193.995 121.999,193.995 131.999,193.995 18.999,195.995 28.999,195.995 30.999,195.995 92.999,195.995 94.999,195.995 96.999,195.995 98.999,195.995 100.999,195.995 102.999,195.995 104.999,195.995 106.999,195.995 110.999,195.995 112.999,195.995 120.999,195.995 29.999,197.995 31.999,197.995 91.999,197.995 93.999,197.995 95.999,197.995 97.999,197.995 99.999,197.995 101.999,197.995 103.999,197.995 105.999,197.995 111.999,197.995 113.999,197.995 117.999,197.995 119.999,197.995 121.999,197.995 18.999,199.995 62.999,199.995 108.999,199.995 110.999,199.995 112.999,199.995 114.999,199.995 118.999,199.995 120.999,199.995 27.999,201.995 29.999,201.995 31.999,201.995 33.999,201.995 35.999,201.995 37.999,201.995 39.999,201.995 59.999,201.995 61.999,201.995 81.999,201.995 117.999,201.995 119.999,201.995 121.999,201.995 123.999,201.995 18.999,203.995 28.999,203.995 30.999,203.995 32.999,203.995 34.999,203.995 36.999,203.995 38.999,203.995 40.999,203.995 42.999,203.995 44.999,203.995 46.999,203.995 48.999,203.995 50.999,203.995 52.999,203.995 54.999,203.995 60.999,203.995 62.999,203.995 90.999,203.995 92.999,203.995 94.999,203.995 96.999,203.995 98.999,203.995 100.999,203.995 102.999,203.995 104.999,203.995 106.999,203.995 108.999,203.995 110.999,203.995 112.999,203.995 114.999,203.995 116.999,203.995 118.999,203.995 120.999,203.995 122.999,203.995 27.999,205.995 29.999,205.995 31.999,205.995 33.999,205.995 35.999,205.995 37.999,205.995 39.999,205.995 41.999,205.995 43.999,205.995 45.999,205.995 47.999,205.995 49.999,205.995 51.999,205.995 53.999,205.995 55.999,205.995 59.999,205.995 61.999,205.995 91.999,205.995 93.999,205.995 95.999,205.995 97.999,205.995 99.999,205.995 101.999,205.995 103.999,205.995 105.999,205.995 107.999,205.995 109.999,205.995 111.999,205.995 113.999,205.995 115.999,205.995 117.999,205.995 119.999,205.995 121.999,205.995 123.999,205.995 18.999,207.995 28.999,207.995 30.999,207.995 32.999,207.995 34.999,207.995 36.999,207.995 38.999,207.995 40.999,207.995 42.999,207.995 44.999,207.995 46.999,207.995 48.999,207.995 50.999,207.995 52.999,207.995 54.999,207.995 60.999,207.995 62.999,207.995 90.999,207.995 92.999,207.995 94.999,207.995 96.999,207.995 98.999,207.995 100.999,207.995 102.999,207.995 104.999,207.995 106.999,207.995 108.999,207.995 110.999,207.995 112.999,207.995 114.999,207.995 116.999,207.995 118.999,207.995 120.999,207.995 122.999,207.995 27.999,209.995 29.999,209.995 31.999,209.995 33.999,209.995 35.999,209.995 37.999,209.995 39.999,209.995 41.999,209.995 43.999,209.995 45.999,209.995 47.999,209.995 49.999,209.995 51.999,209.995 53.999,209.995 55.999,209.995 59.999,209.995 61.999,209.995 91.999,209.995 93.999,209.995 95.999,209.995 97.999,209.995 99.999,209.995 101.999,209.995 103.999,209.995 105.999,209.995 107.999,209.995 109.999,209.995 111.999,209.995 113.999,209.995 115.999,209.995 117.999,209.995 119.999,209.995 121.999,209.995 123.999,209.995 18.999,211.995 28.999,211.995 30.999,211.995 32.999,211.995 34.999,211.995 36.999,211.995 38.999,211.995 40.999,211.995 42.999,211.995 44.999,211.995 46.999,211.995 48.999,211.995 50.999,211.995 52.999,211.995 54.999,211.995 60.999,211.995 62.999,211.995 90.999,211.995 92.999,211.995 94.999,211.995 96.999,211.995 98.999,211.995 100.999,211.995 102.999,211.995 104.999,211.995 106.999,211.995 108.999,211.995 110.999,211.995 112.999,211.995 114.999,211.995 116.999,211.995 118.999,211.995 120.999,211.995 122.999,211.995 27.999,213.995 37.999,213.995 39.999,213.995 41.999,213.995 43.999,213.995 45.999,213.995 47.999,213.995 49.999,213.995 51.999,213.995 53.999,213.995 61.999,213.995 91.999,213.995 93.999,213.995 95.999,213.995 97.999,213.995 99.999,213.995 101.999,213.995 103.999,213.995 105.999,213.995 107.999,213.995 109.999,213.995 111.999,213.995 113.999,213.995 115.999,213.995 117.999,213.995 119.999,213.995 121.999,213.995 123.999,213.995 18.999,215.995 28.999,215.995 36.999,215.995 38.999,215.995 40.999,215.995 42.999,215.995 44.999,215.995 46.999,215.995 48.999,215.995 50.999,215.995 52.999,215.995 54.999,215.995 60.999,215.995 62.999,215.995 70.999,215.995 72.999,215.995 74.999,215.995 76.999,215.995 78.999,215.995 132.999,215.995 27.999,217.995 29.999,217.995 35.999,217.995 37.999,217.995 39.999,217.995 41.999,217.995 43.999,217.995 45.999,217.995 47.999,217.995 49.999,217.995 51.999,217.995 53.999,217.995 61.999,217.995 71.999,217.995 73.999,217.995 77.999,217.995 79.999,217.995 91.999,217.995 93.999,217.995 95.999,217.995 97.999,217.995 99.999,217.995 101.999,217.995 103.999,217.995 105.999,217.995 107.999,217.995 109.999,217.995 111.999,217.995 113.999,217.995 115.999,217.995 117.999,217.995 119.999,217.995 121.999,217.995 123.999,217.995 125.999,217.995 131.999,217.995 18.999,219.995 70.999,219.995 72.999,219.995 78.999,219.995 92.999,219.995 94.999,219.995 96.999,219.995 98.999,219.995 100.999,219.995 102.999,219.995 104.999,219.995 106.999,219.995 108.999,219.995 110.999,219.995 112.999,219.995 114.999,219.995 116.999,219.995 118.999,219.995 120.999,219.995 122.999,219.995 124.999,219.995 132.999,219.995 23.999,221.995 25.999,221.995 27.999,221.995 29.999,221.995 31.999,221.995 69.999,221.995 71.999,221.995 73.999,221.995 129.999,221.995 131.999,221.995 18.999,223.995 128.999,223.995 130.999,223.995 132.999,223.995 23.999,225.995 25.999,225.995 27.999,225.995 123.999,225.995 125.999,225.995 127.999,225.995 129.999,225.995 131.999,225.995 18.999,227.995 36.999,227.995 38.999,227.995 40.999,227.995 42.999,227.995 44.999,227.995 46.999,227.995 48.999,227.995 50.999,227.995 52.999,227.995 54.999,227.995 56.999,227.995 58.999,227.995 60.999,227.995 90.999,227.995 92.999,227.995 94.999,227.995 96.999,227.995 98.999,227.995 100.999,227.995 102.999,227.995 104.999,227.995 106.999,227.995 108.999,227.995 110.999,227.995 112.999,227.995 114.999,227.995 116.999,227.995 118.999,227.995 120.999,227.995 122.999,227.995 124.999,227.995 126.999,227.995 128.999,227.995 130.999,227.995 132.999,227.995
INPB: C39.2 C40.2 R12.2 | length 3.7
  Top Layer w0.4: C39.2@90.639,65.278 90.658,65.259 90.658,63.354 C40.2@90.678,63.334 90.697,63.354 92.348,63.354 R12.2@92.368,63.373
IO2: R26.2 R33.2 U12.6 U13.5 | length 133
  Top Layer w0.4: R33.2@36.029,196.342 v1(37.846,196.342) 38.66,196.342 39.295,196.977 U12.6@40.97,196.977 ; v1(54.356,196.85) 58.547,196.85 59.309,196.088 59.309,178.054 60.579,176.784 75.311,176.784 78.232,173.863 78.232,158.369 79.121,157.48 99.695,157.48 102.743,160.528 v1(112.649,160.528) ; U13.5@124.368,158.363 v1(124.368,160.401) 124.368,161.309 R26.2@124.668,161.609
  Bottom Layer w0.4: v1(37.846,196.342) 38.862,197.358 39.497,197.358 40.005,196.85 v1(54.356,196.85) ; v1(112.649,160.528) 112.712,160.464 124.305,160.464 v1(124.368,160.401)
IO4: R41.2 U13.18 | length 116.2
  Top Layer w0.4: v1(101.219,115.443) 101.219,123.083 101.453,123.317 123.519,123.317 123.789,123.587 123.789,124.551 v1(123.825,124.587) ; v1(102.362,92.456) 102.362,89.408 105.855,85.915 105.855,81.09 106.426,80.518 114.3,80.518 115.15,81.368 R41.2@116.586,81.368 R41.2@116.605,81.388 ; v1(116.713,152.527) 116.777,152.463 U13.18@118.668,152.463 ; v1(123.825,128.651) 123.825,141.351 124.129,141.655 124.764,141.655 v1(124.841,141.732)
  Bottom Layer w0.4: v1(101.219,115.443) 101.142,115.366 101.142,113.107 102.362,111.887 v1(102.362,92.456) ; v1(116.713,152.527) 118.745,152.527 119.054,152.218 119.054,147.568 119.126,147.496 119.126,147.32 119.507,146.939 122.555,146.939 123.317,146.177 123.317,145.034 124.841,143.51 v1(124.841,141.732) ; v1(123.825,124.587) v1(123.825,128.651)
IO7: P8.2 U13.21 | length 101.8
  Top Layer w0.2: v1(97.282,161.417) 97.917,162.052 113.836,162.052 114.272,161.616 114.272,154.079 114.681,153.67 114.681,151.841 116.459,150.063 U13.21@118.668,150.063
  Top Layer w0.4: v1(123.317,173.228) 123.317,198.755 125.095,200.533 P8.2@132.715,200.533
  Bottom Layer w0.2: v1(97.282,161.417) 97.282,166.751 103.759,173.228 v1(123.317,173.228)
IO8: R37.1 R56.1 U12.5 U13.22 | length 135.6
  Top Layer w0.4: R56.1@36.029,198.247 v1(37.846,198.247) U12.5@40.97,198.247 ; v1(54.356,198.247) 59.309,198.247 60.325,197.231 60.325,178.943 61.468,177.8 75.819,177.8 79.121,174.498 79.121,158.623 79.684,158.06 98.878,158.06 102.235,161.417 113.558,161.417 113.792,161.183 113.792,151.638 114.554,150.876 R37.1@114.554,149.287 ; R37.1@114.346,149.287 R37.1@114.554,149.287 ; U13.22@118.644,149.263 118.351,149.263 118.327,149.287 R37.1@114.554,149.287
  Bottom Layer w0.4: v1(37.846,198.247) v1(54.356,198.247)
IO9: IC3.3 J3.6 R28.2 R58.2 U13.23 | length 106.1
  Top Layer w0.4: R58.2@69.85,201.207 69.927,201.13 v1(71.628,201.13) 73.329,201.13 IC3.3@73.406,201.054 ; v1(71.628,197.358) 80.899,197.358 84.455,200.914 105.537,200.914 108.839,197.612 v1(108.839,167.005) ; R28.2@114.388,147.447 v1(115.57,147.447) ; v1(115.57,147.447) 116.586,148.463 U13.23@118.668,148.463
  Bottom Layer w0.4: v1(71.628,197.358) v1(71.628,201.13) ; v1(108.839,167.005) 108.86,166.984 108.86,158.201 J3.6@108.881,158.18 110.171,158.18 110.871,157.48 110.871,151.663 112.941,149.593 113.424,149.593 v1(115.57,147.447)
IO10: R38.2 U13.16 | length 123.8
  Top Layer w0.4: v1(102.362,114.173) 102.362,122.047 102.616,122.301 124.968,122.301 125.984,123.317 v1(125.984,124.587) ; v1(104.648,114.173) 104.648,98.933 106.807,96.774 122.428,96.774 123.113,96.089 123.113,81.554 R38.2@122.95,81.39 ; v1(116.713,154.051) 116.725,154.063 U13.16@118.668,154.063 ; v1(125.857,128.524) v1(125.857,143.002)
  Bottom Layer w0.4: v1(102.362,114.173) v1(104.648,114.173) ; v1(116.713,154.051) 118.872,154.051 119.634,153.289 119.634,147.808 119.868,147.574 123.317,147.574 124.079,146.812 124.079,145.415 125.857,143.637 v1(125.857,143.002) ; v1(125.857,128.524) 125.92,128.46 125.92,124.65 v1(125.984,124.587)
IO18: P4.2 U13.26 | length 28.9
  Top Layer w0.4: v1(119.761,144.653) 119.761,144.761 120.368,145.368 U13.26@120.368,146.563
  Bottom Layer w0.4: P4.2@103.674,150.941 102.173,150.941 101.854,150.622 101.854,146.03 102.088,145.796 105.664,145.796 106.68,146.812 112.903,146.812 113.284,146.431 113.284,144.887 113.518,144.653 v1(119.761,144.653)
IO19: P4.3 U13.27 | length 26.9
  Top Layer w0.4: U13.27@121.168,146.563 121.168,145.132 121.539,144.761 v1(121.539,144.653)
  Bottom Layer w0.4: P4.3@103.674,153.481 105.492,153.481 105.726,153.246 105.726,149.524 105.961,149.29 111.949,149.29 114.173,147.066 114.173,145.711 114.407,145.477 121.28,145.477 121.514,145.242 121.514,144.678 v1(121.539,144.653)
IO20: J3.5 U13.30 | length 34.8
  Top Layer w0.4: J3.5@108.881,155.64 110.278,155.64 110.871,155.047 110.871,152.65 110.051,151.83 107.611,151.83 106.976,151.195 106.976,149.798 107.484,149.29 110.764,149.29 110.998,149.055 110.998,144.399 111.695,143.702 122.851,143.702 123.568,144.419 U13.30@123.568,146.563
IO21: J3.4 U13.31 | length 32.9
  Top Layer w0.4: J3.4@108.881,153.1 106.933,153.1 105.915,152.082 105.915,148.145 107.248,146.812 110.129,146.812 110.363,146.578 110.363,143.764 111.314,142.813 123.486,142.813 124.368,143.695 U13.31@124.368,146.563
IOVDD: C52.1 U1.11 | length 3.7
  Top Layer w0.2: C52.1@113.819,39.412 113.919,39.512 113.919,40.64 114.308,41.029 U1.11@114.308,42.926
IRDA: U1.28
MIC_LDO: U1.30
MICIN: U1.29
MUTE: R4.1 U1.13 | length 20.3
  Top Layer w0.2: R4.1@106.895,32.385 115.316,32.385 116.459,33.528 116.459,40.396 116.342,40.513 115.824,40.513 115.108,41.229 U1.13@115.108,42.926
NetA2_2: A2.2 C54.1 L11.1 T1.C | length 8.3
  Top Layer w0.2: L11.1@123.063,38.24 123.063,39.839 C54.1@123.024,39.878 123.278,40.132 A2.2@129.54,40.132
NetB1_N: B1.N R15.1 | length 3.9
  Top Layer w0.4: B1.N@116.332,189.651 116.395,189.588 116.395,185.825 R15.1@116.459,185.762
NetBT1_POS: BT1.POS D4.1 R50.1 | length 23.6
  Top Layer w0.4: R50.1@51.143,198.076 51.061,198.158 51.061,201.593 D4.1@50.978,201.676 56.261,201.676 58.188,203.603 BT1.POS@58.188,215.519
NetC1_2: C1.2 R11.2 R23.1 U3.3 | length 27.2
  Top Layer w1: v1(88.77,139.89) v1(89.786,139.89) U3.3@91.519,139.89 ; v1(93.469,144.97) v1(93.469,146.05) ; v1(93.472,147.32) 93.469,147.317 v1(93.469,146.05) ; R11.2@96.898,146.963 96.898,149.277 C1.2@96.898,149.327 R23.1@94.485,149.327 94.485,149.277 94.728,149.035 94.728,146.635 94.142,146.05 v1(93.469,146.05)
  Bottom Layer w1: v1(89.786,139.89) v1(88.77,139.89) 88.77,144.575 89.356,145.161 v1@93.472,145.161 ; v1(93.469,144.97) v1(93.469,146.05) ; v1@93.472,146.05 v1(93.472,147.32)
NetC2_1: C2.1 C3.1 R1.1 | length 3.9
  Top Layer w0.4: C2.1@87.929,86.863 87.946,86.846 89.729,86.846 89.731,86.849 91.768,86.849 C3.1@91.788,86.868
NetC2_2: C2.2 R53.1 | length 2
  Top Layer w0.4: R53.1@84.216,86.863 C2.2@86.229,86.863
NetC3_2: C3.2 R34.1 R35.1 | length 4.1
  Top Layer w0.4: C3.2@93.488,86.868 93.497,86.859 93.497,84.972 R35.1@93.506,84.963 93.569,85.027 95.606,85.027 R34.1@95.67,85.09
NetC4_1: C4.1 C8.2 R2.1 | length 3.9
  Top Layer w0.4: C8.2@88.099,79.248 C4.1@91.987,79.248
NetC4_2: C4.2 R3.2 R29.1 | length 3.8
  Top Layer w0.4: C4.2@93.687,79.248 R3.2@93.687,81.026 R29.1@95.67,81.026
NetC5_1: C5.1 R54.1 | length 2
  Top Layer w0.4: R54.1@84.216,84.958 84.218,84.961 86.226,84.961 C5.1@86.229,84.963
NetC8_1: C8.1 R59.1 | length 2.1
  Top Layer w0.4: R59.1@84.289,79.248 C8.1@86.399,79.248
NetC11_1: C11.1 R61.1 | length 2.1
  Top Layer w0.4: R61.1@84.289,81.026 C11.1@86.399,81.026
NetC15_2: C15.2 L2.1 P1.2 | length 13.5
  Top Layer w1: P1.2@32.893,102.108 38.651,102.108 C15.2@38.735,102.024 42.105,102.024 43.18,100.949 L2.1@43.18,98.171
NetC17_1: C17.1 L6.2 U5.15 | length 27.3
  Top Layer w1: L6.2@52.832,70.739 52.832,71.696 53.907,72.771 69.74,72.771 71.628,74.658 C17.1@71.628,74.76 ; C17.1@71.544,74.676 C17.1@71.628,74.76 ; U5.15@73.544,79.248 72.214,79.248 71.628,78.662 C17.1@71.628,74.76
NetC17_2: C17.2 U5.16 | length 3.4
  Top Layer w1: U5.16@73.544,77.978 73.544,75.778 73.596,75.726 73.596,74.824 C17.2@73.744,74.676
NetC18_1: C18.1 L3.1 P1.1 | length 14.1
  Top Layer w1: P1.1@32.893,107.188 32.893,109.269 33.479,109.855 38.692,109.855 C18.1@38.735,109.812 42.105,109.812 43.18,110.887 L3.1@43.18,111.887
NetC20_1: C20.1 L7.2 U5.13 | length 30.5
  Top Layer w1: L7.2@52.832,84.455 56.945,84.455 57.531,83.869 57.531,79.756 60.241,77.046 61.55,77.046 C20.1@67.691,77.046 67.691,81.026 68.453,81.788 U5.13@73.544,81.788
NetC20_2: C20.2 U5.14 | length 10.8
  Top Layer w1: C20.2@67.691,74.846 67.775,74.93 69.391,74.93 69.977,75.516 69.977,79.883 70.612,80.518 U5.14@73.544,80.518
NetC21_1: C21.1 L2.2 U5.12 | length 32.3
  Top Layer w1: L2.2@52.832,98.171 55.548,98.171 56.134,97.585 56.134,91.821 60.79,87.165 C21.1@67.691,87.165 67.691,83.82 68.456,83.055 U5.12@73.544,83.055